# KiCad board panel.opm-inline.kicad_pcb (continued)
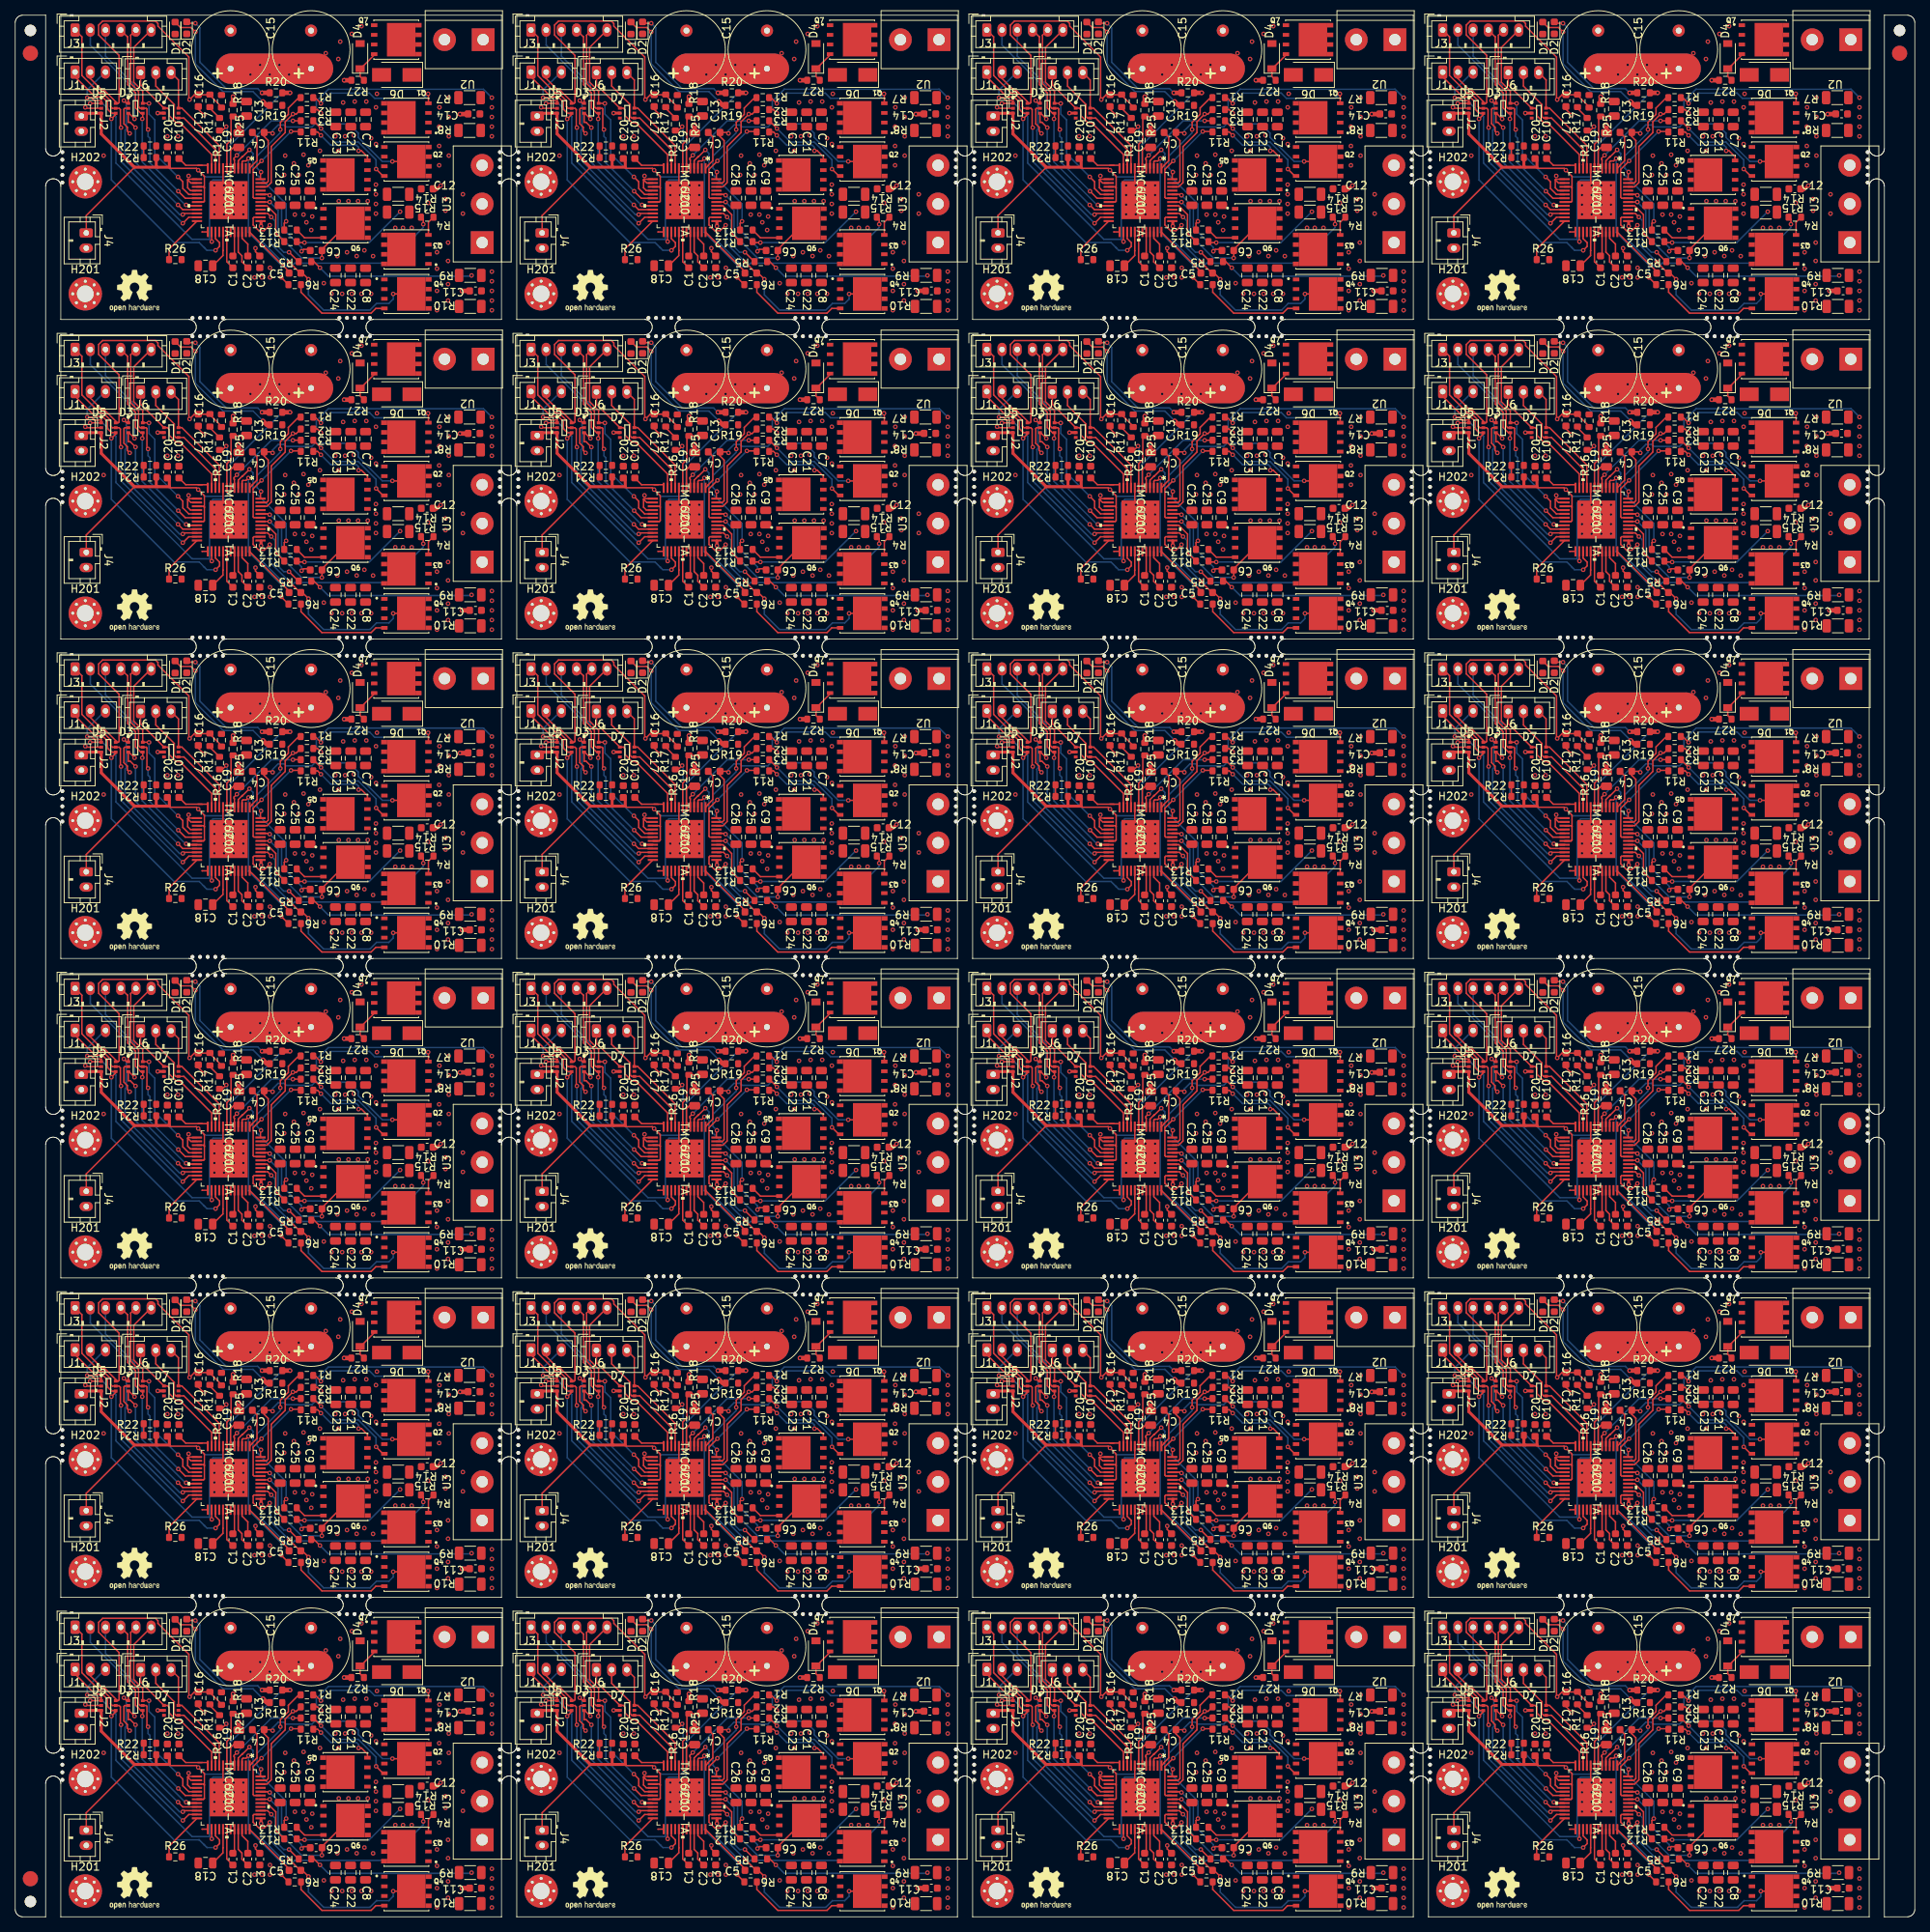
[diagram p0: board, top side]
## Nets (continued)
Board_17-Net-(D1-Pad2): D1#18.2 R19#2.1
Board_17-Net-(D2-Pad2): D2#23.2 R20#18.1
Board_17-Net-(D4-Pad1): D4#19.1 Q7.4 R27.1
Board_17-Net-(D6-Pad2): D6#15.2 Q7.5 Q7.6 Q7.7 Q7.8 U2#17.2
Board_17-Net-(IC1-Pad3): IC1#21.3 R6#3.2
Board_17-Net-(IC1-Pad4): IC1#21.4 R13#22.2
Board_17-Net-(IC1-Pad5): IC1#21.5 R3#10.2
Board_17-Net-(IC1-Pad24): IC1#21.24 R26#24.1
Board_17-Net-(IC1-Pad37): IC1#21.37 R4#6.2
Board_17-Net-(IC1-Pad39): IC1#21.39 R5#19.2
Board_17-Net-(IC1-Pad41): IC1#21.41 R12#4.2
Board_17-Net-(IC1-Pad43): IC1#21.43 R11#15.2
Board_17-Net-(IC1-Pad46): IC1#21.46 R2#18.2
Board_17-Net-(IC1-Pad48): IC1#21.48 R1.2
Board_17-Net-(Q1-Pad4): Q1#21.4 R1.1
Board_17-Net-(Q2-Pad4): Q2#21.4 R3#10.1
Board_17-Net-(Q3-Pad4): Q3#15.4 R4#6.1
Board_17-Net-(Q4-Pad4): Q4#10.4 R6#3.1
Board_17-Net-(Q5-Pad4): Q5.4 R11#15.1
Board_17-Net-(Q6-Pad4): Q6#22.4 R13#22.1
Board_17-Net-(R16-Pad2): R16#2.2 R17#11.1
Board_17-unconnected-(D7-Pad3): D7#24.3
Board_17-unconnected-(D7-Pad5): D7#24.5
Board_18-/+VM: C2#2.1 C3#7.1 C7#18.1 C8#7.1 C9#13.1 C15#11.1 C16#3.1 C21#20.1 C22#20.1 C23#18.1 C24#6.1 C25#15.1 C26#3.1 D4#17.2 IC1#20.33 Q1#4.5 Q1#4.6 Q1#4.7 Q1#4.8 Q3#4.5 Q3#4.6 Q3#4.7 Q3#4.8 Q5#24.5 Q5#24.6 Q5#24.7 Q5#24.8 Q7#22.1 Q7#22.2 Q7#22.3 R25#13.2
Board_18-/ADC_I_u: D7#9.6 IC1#20.9 J6#23.3
Board_18-/ADC_I_v: D7#9.4 IC1#20.10 J6#23.2
Board_18-/ADC_I_w: D7#9.1 IC1#20.11 J6#23.1
Board_18-/Connectors/VOFS: R21#12.2 R22#17.1
Board_18-/DRV_EN: D5#13.4 IC1#20.27 J1#16.1
Board_18-/FAULT: D5#13.1 IC1#20.26 J1#16.3 R20#22.2
Board_18-/Motor Driver/VOFS: C10#18.1 IC1#20.12
Board_18-/TEMP_PCB: C17#8.1 D5#13.6 J1#16.2 R17#3.2 R18#17.1
Board_18-/U: C14#6.1 R2#10.1 R7#17.1 R8#4.1 U3#18.3
Board_18-/UH: D3#24.6 IC1#20.17 J3#6.6
Board_18-/UL: D3#24.5 IC1#20.18 J3#6.5
Board_18-/V: C12#22.1 R12#8.1 R14#11.1 R15#12.1 U3#18.2
Board_18-/VH: D3#24.4 IC1#20.20 J3#6.4
Board_18-/VL: D3#24.3 IC1#20.21 J3#6.3
Board_18-/VSA: C18#24.1 IC1#20.29
Board_18-/W: C11#5.1 R5#4.1 R9#5.1 R10#22.1 U3#18.1
Board_18-/WH: D3#24.1 IC1#20.22 J3#6.2
Board_18-/WL: D5#13.5 IC1#20.23 J3#6.1
Board_18-GND: C3#7.2 C7#18.2 C8#7.2 C9#13.2 C10#18.2 C11#5.2 C12#22.2 C13#20.2 C14#6.2 C15#11.2 C16#3.2 C17#8.2 C18#24.2 C19#15.2 C20#13.2 C21#20.2 C22#20.2 C23#18.2 C24#6.2 C25#15.2 C26#3.2 D1#16.1 D2#24.1 D3#24.2 D5#13.2 D6#11.1 D7#9.2 H201#12.1 H202#4.1 IC1#20.8 IC1#20.13 IC1#20.14 IC1#20.16 IC1#20.25 IC1#20.EPAD J2#9.2 J4#22.2 Q2#3.1 Q2#3.2 Q2#3.3 Q4#3.1 Q4#3.2 Q4#3.3 Q6#19.1 Q6#19.2 Q6#19.3 R18#17.2 R22#17.2 R26#7.2 R27#24.2 U2#20.1
Board_18-Net-(C1-Pad1): C1#3.1 IC1#20.30
Board_18-Net-(C1-Pad2): C1#3.2 IC1#20.32
Board_18-Net-(C2-Pad2): C2#2.2 IC1#20.34
Board_18-Net-(C4-Pad1): C4#12.1 IC1#20.47 Q1#4.1 Q1#4.2 Q1#4.3 Q2#3.5 Q2#3.6 Q2#3.7 Q2#3.8 R7#17.2 R8#4.2
Board_18-Net-(C4-Pad2): C4#12.2 IC1#20.1
Board_18-Net-(C5-Pad1): C5#21.1 IC1#20.36
Board_18-Net-(C5-Pad2): C5#21.2 IC1#20.38 Q3#4.1 Q3#4.2 Q3#4.3 Q4#3.5 Q4#3.6 Q4#3.7 Q4#3.8 R9#5.2 R10#22.2
Board_18-Net-(C6-Pad1): C6#7.1 IC1#20.42 Q5#24.1 Q5#24.2 Q5#24.3 Q6#19.5 Q6#19.6 Q6#19.7 Q6#19.8 R14#11.2 R15#12.2
Board_18-Net-(C6-Pad2): C6#7.2 IC1#20.44
Board_18-Net-(D1-Pad2): D1#16.2 R19#12.1
Board_18-Net-(D2-Pad2): D2#24.2 R20#22.1
Board_18-Net-(D4-Pad1): D4#17.1 Q7#22.4 R27#24.1
Board_18-Net-(D6-Pad2): D6#11.2 Q7#22.5 Q7#22.6 Q7#22.7 Q7#22.8 U2#20.2
Board_18-Net-(IC1-Pad3): IC1#20.3 R6#24.2
Board_18-Net-(IC1-Pad4): IC1#20.4 R13#3.2
Board_18-Net-(IC1-Pad5): IC1#20.5 R3.2
Board_18-Net-(IC1-Pad24): IC1#20.24 R26#7.1
Board_18-Net-(IC1-Pad37): IC1#20.37 R4#2.2
Board_18-Net-(IC1-Pad39): IC1#20.39 R5#4.2
Board_18-Net-(IC1-Pad41): IC1#20.41 R12#8.2
Board_18-Net-(IC1-Pad43): IC1#20.43 R11#20.2
Board_18-Net-(IC1-Pad46): IC1#20.46 R2#10.2
Board_18-Net-(IC1-Pad48): IC1#20.48 R1#19.2
Board_18-Net-(Q1-Pad4): Q1#4.4 R1#19.1
Board_18-Net-(Q2-Pad4): Q2#3.4 R3.1
Board_18-Net-(Q3-Pad4): Q3#4.4 R4#2.1
Board_18-Net-(Q4-Pad4): Q4#3.4 R6#24.1
Board_18-Net-(Q5-Pad4): Q5#24.4 R11#20.1
Board_18-Net-(Q6-Pad4): Q6#19.4 R13#3.1
Board_18-Net-(R16-Pad2): R16#17.2 R17#3.1
Board_18-unconnected-(D7-Pad3): D7#9.3
Board_18-unconnected-(D7-Pad5): D7#9.5
Board_19-/+VM: C2#22.1 C3#2.1 C7#8.1 C8#23.1 C9#20.1 C15#2.1 C16#8.1 C21#6.1 C22#24.1 C23#15.1 C24#9.1 C25#24.1 C26#24.1 D4#13.2 IC1#18.33 Q1#9.5 Q1#9.6 Q1#9.7 Q1#9.8 Q3#11.5 Q3#11.6 Q3#11.7 Q3#11.8 Q5#14.5 Q5#14.6 Q5#14.7 Q5#14.8 Q7#19.1 Q7#19.2 Q7#19.3 R25#20.2
Board_19-/ADC_I_u: D7#19.6 IC1#18.9 J6#17.3
Board_19-/ADC_I_v: D7#19.4 IC1#18.10 J6#17.2
Board_19-/ADC_I_w: D7#19.1 IC1#18.11 J6#17.1
Board_19-/Connectors/VOFS: R21#4.2 R22#8.1
Board_19-/DRV_EN: D5#23.4 IC1#18.27 J1#21.1
Board_19-/FAULT: D5#23.1 IC1#18.26 J1#21.3 R20#17.2
Board_19-/Motor Driver/VOFS: C10#19.1 IC1#18.12
Board_19-/TEMP_PCB: C17#11.1 D5#23.6 J1#21.2 R17#10.2 R18#10.1
Board_19-/U: C14#23.1 R2#6.1 R7.1 R8#6.1 U3#4.3
Board_19-/UH: D3#7.6 IC1#18.17 J3#10.6
Board_19-/UL: D3#7.5 IC1#18.18 J3#10.5
Board_19-/V: C12#5.1 R12#13.1 R14#19.1 R15#16.1 U3#4.2
Board_19-/VH: D3#7.4 IC1#18.20 J3#10.4
Board_19-/VL: D3#7.3 IC1#18.21 J3#10.3
Board_19-/VSA: C18#14.1 IC1#18.29
Board_19-/W: C11#16.1 R5.1 R9#9.1 R10#13.1 U3#4.1
Board_19-/WH: D3#7.1 IC1#18.22 J3#10.2
Board_19-/WL: D5#23.5 IC1#18.23 J3#10.1
Board_19-GND: C3#2.2 C7#8.2 C8#23.2 C9#20.2 C10#19.2 C11#16.2 C12#5.2 C13#15.2 C14#23.2 C15#2.2 C16#8.2 C17#11.2 C18#14.2 C19#24.2 C20#24.2 C21#6.2 C22#24.2 C23#15.2 C24#9.2 C25#24.2 C26#24.2 D1#20.1 D2#2.1 D3#7.2 D5#23.2 D6#16.1 D7#19.2 H201#9.1 H202#15.1 IC1#18.8 IC1#18.13 IC1#18.14 IC1#18.16 IC1#18.25 IC1#18.EPAD J2#8.2 J4#23.2 Q2#15.1 Q2#15.2 Q2#15.3 Q4#6.1 Q4#6.2 Q4#6.3 Q6#18.1 Q6#18.2 Q6#18.3 R18#10.2 R22#8.2 R26#3.2 R27#11.2 U2#5.1
Board_19-Net-(C1-Pad1): C1#19.1 IC1#18.30
Board_19-Net-(C1-Pad2): C1#19.2 IC1#18.32
Board_19-Net-(C2-Pad2): C2#22.2 IC1#18.34
Board_19-Net-(C4-Pad1): C4#18.1 IC1#18.47 Q1#9.1 Q1#9.2 Q1#9.3 Q2#15.5 Q2#15.6 Q2#15.7 Q2#15.8 R7.2 R8#6.2
Board_19-Net-(C4-Pad2): C4#18.2 IC1#18.1
Board_19-Net-(C5-Pad1): C5#15.1 IC1#18.36
Board_19-Net-(C5-Pad2): C5#15.2 IC1#18.38 Q3#11.1 Q3#11.2 Q3#11.3 Q4#6.5 Q4#6.6 Q4#6.7 Q4#6.8 R9#9.2 R10#13.2
Board_19-Net-(C6-Pad1): C6#19.1 IC1#18.42 Q5#14.1 Q5#14.2 Q5#14.3 Q6#18.5 Q6#18.6 Q6#18.7 Q6#18.8 R14#19.2 R15#16.2
Board_19-Net-(C6-Pad2): C6#19.2 IC1#18.44
Board_19-Net-(D1-Pad2): D1#20.2 R19#9.1
Board_19-Net-(D2-Pad2): D2#2.2 R20#17.1
Board_19-Net-(D4-Pad1): D4#13.1 Q7#19.4 R27#11.1
Board_19-Net-(D6-Pad2): D6#16.2 Q7#19.5 Q7#19.6 Q7#19.7 Q7#19.8 U2#5.2
Board_19-Net-(IC1-Pad3): IC1#18.3 R6#12.2
Board_19-Net-(IC1-Pad4): IC1#18.4 R13#13.2
Board_19-Net-(IC1-Pad5): IC1#18.5 R3#24.2
Board_19-Net-(IC1-Pad24): IC1#18.24 R26#3.1
Board_19-Net-(IC1-Pad37): IC1#18.37 R4#5.2
Board_19-Net-(IC1-Pad39): IC1#18.39 R5.2
Board_19-Net-(IC1-Pad41): IC1#18.41 R12#13.2
Board_19-Net-(IC1-Pad43): IC1#18.43 R11#21.2
Board_19-Net-(IC1-Pad46): IC1#18.46 R2#6.2
Board_19-Net-(IC1-Pad48): IC1#18.48 R1#7.2
Board_19-Net-(Q1-Pad4): Q1#9.4 R1#7.1
Board_19-Net-(Q2-Pad4): Q2#15.4 R3#24.1
Board_19-Net-(Q3-Pad4): Q3#11.4 R4#5.1
Board_19-Net-(Q4-Pad4): Q4#6.4 R6#12.1
Board_19-Net-(Q5-Pad4): Q5#14.4 R11#21.1
Board_19-Net-(Q6-Pad4): Q6#18.4 R13#13.1
Board_19-Net-(R16-Pad2): R16#16.2 R17#10.1
Board_19-unconnected-(D7-Pad3): D7#19.3
Board_19-unconnected-(D7-Pad5): D7#19.5
Board_20-/+VM: C2#12.1 C3#15.1 C7.1 C8#8.1 C9#10.1 C15#13.1 C16#24.1 C21#10.1 C22#23.1 C23#11.1 C24#21.1 C25#4.1 C26#14.1 D4#8.2 IC1#14.33 Q1#17.5 Q1#17.6 Q1#17.7 Q1#17.8 Q3#14.5 Q3#14.6 Q3#14.7 Q3#14.8 Q5#19.5 Q5#19.6 Q5#19.7 Q5#19.8 Q7#16.1 Q7#16.2 Q7#16.3 R25#7.2
Board_20-/ADC_I_u: D7#7.6 IC1#14.9 J6#19.3
Board_20-/ADC_I_v: D7#7.4 IC1#14.10 J6#19.2
Board_20-/ADC_I_w: D7#7.1 IC1#14.11 J6#19.1
Board_20-/Connectors/VOFS: R21#20.2 R22#5.1
Board_20-/DRV_EN: D5#11.4 IC1#14.27 J1#12.1
Board_20-/FAULT: D5#11.1 IC1#14.26 J1#12.3 R20#14.2
Board_20-/Motor Driver/VOFS: C10#8.1 IC1#14.12
Board_20-/TEMP_PCB: C17#2.1 D5#11.6 J1#12.2 R17#16.2 R18#16.1
Board_20-/U: C14#18.1 R2#4.1 R7#21.1 R8#12.1 U3#5.3
Board_20-/UH: D3#21.6 IC1#14.17 J3#21.6
Board_20-/UL: D3#21.5 IC1#14.18 J3#21.5
Board_20-/V: C12#20.1 R12#14.1 R14#6.1 R15#3.1 U3#5.2
Board_20-/VH: D3#21.4 IC1#14.20 J3#21.4
Board_20-/VL: D3#21.3 IC1#14.21 J3#21.3
Board_20-/VSA: C18#18.1 IC1#14.29
Board_20-/W: C11#17.1 R5#6.1 R9#6.1 R10#4.1 U3#5.1
Board_20-/WH: D3#21.1 IC1#14.22 J3#21.2
Board_20-/WL: D5#11.5 IC1#14.23 J3#21.1
Board_20-GND: C3#15.2 C7.2 C8#8.2 C9#10.2 C10#8.2 C11#17.2 C12#20.2 C13#19.2 C14#18.2 C15#13.2 C16#24.2 C17#2.2 C18#18.2 C19#16.2 C20#4.2 C21#10.2 C22#23.2 C23#11.2 C24#21.2 C25#4.2 C26#14.2 D1#19.1 D2#7.1 D3#21.2 D5#11.2 D6#9.1 D7#7.2 H201#6.1 H202#9.1 IC1#14.8 IC1#14.13 IC1#14.14 IC1#14.16 IC1#14.25 IC1#14.EPAD J2#21.2 J4#9.2 Q2#9.1 Q2#9.2 Q2#9.3 Q4#7.1 Q4#7.2 Q4#7.3 Q6#16.1 Q6#16.2 Q6#16.3 R18#16.2 R22#5.2 R26#22.2 R27#14.2 U2#4.1
Board_20-Net-(C1-Pad1): C1#24.1 IC1#14.30
Board_20-Net-(C1-Pad2): C1#24.2 IC1#14.32
Board_20-Net-(C2-Pad2): C2#12.2 IC1#14.34
Board_20-Net-(C4-Pad1): C4#3.1 IC1#14.47 Q1#17.1 Q1#17.2 Q1#17.3 Q2#9.5 Q2#9.6 Q2#9.7 Q2#9.8 R7#21.2 R8#12.2
Board_20-Net-(C4-Pad2): C4#3.2 IC1#14.1
Board_20-Net-(C5-Pad1): C5#12.1 IC1#14.36
Board_20-Net-(C5-Pad2): C5#12.2 IC1#14.38 Q3#14.1 Q3#14.2 Q3#14.3 Q4#7.5 Q4#7.6 Q4#7.7 Q4#7.8 R9#6.2 R10#4.2
Board_20-Net-(C6-Pad1): C6#18.1 IC1#14.42 Q5#19.1 Q5#19.2 Q5#19.3 Q6#16.5 Q6#16.6 Q6#16.7 Q6#16.8 R14#6.2 R15#3.2
Board_20-Net-(C6-Pad2): C6#18.2 IC1#14.44
Board_20-Net-(D1-Pad2): D1#19.2 R19#20.1
Board_20-Net-(D2-Pad2): D2#7.2 R20#14.1
Board_20-Net-(D4-Pad1): D4#8.1 Q7#16.4 R27#14.1
Board_20-Net-(D6-Pad2): D6#9.2 Q7#16.5 Q7#16.6 Q7#16.7 Q7#16.8 U2#4.2
Board_20-Net-(IC1-Pad3): IC1#14.3 R6#20.2
Board_20-Net-(IC1-Pad4): IC1#14.4 R13#20.2
Board_20-Net-(IC1-Pad5): IC1#14.5 R3#12.2
Board_20-Net-(IC1-Pad24): IC1#14.24 R26#22.1
Board_20-Net-(IC1-Pad37): IC1#14.37 R4#22.2
Board_20-Net-(IC1-Pad39): IC1#14.39 R5#6.2
Board_20-Net-(IC1-Pad41): IC1#14.41 R12#14.2
Board_20-Net-(IC1-Pad43): IC1#14.43 R11#19.2
Board_20-Net-(IC1-Pad46): IC1#14.46 R2#4.2
Board_20-Net-(IC1-Pad48): IC1#14.48 R1#3.2
Board_20-Net-(Q1-Pad4): Q1#17.4 R1#3.1
Board_20-Net-(Q2-Pad4): Q2#9.4 R3#12.1
Board_20-Net-(Q3-Pad4): Q3#14.4 R4#22.1
Board_20-Net-(Q4-Pad4): Q4#7.4 R6#20.1
Board_20-Net-(Q5-Pad4): Q5#19.4 R11#19.1
Board_20-Net-(Q6-Pad4): Q6#16.4 R13#20.1
Board_20-Net-(R16-Pad2): R16#18.2 R17#16.1
Board_20-unconnected-(D7-Pad3): D7#7.3
Board_20-unconnected-(D7-Pad5): D7#7.5
Board_21-/+VM: C2#16.1 C3#23.1 C7#9.1 C8#13.1 C9#22.1 C15#18.1 C16#10.1 C21#12.1 C22#7.1 C23#12.1 C24#19.1 C25#5.1 C26#22.1 D4#14.2 IC1#24.33 Q1#18.5 Q1#18.6 Q1#18.7 Q1#18.8 Q3#7.5 Q3#7.6 Q3#7.7 Q3#7.8 Q5#16.5 Q5#16.6 Q5#16.7 Q5#16.8 Q7#9.1 Q7#9.2 Q7#9.3 R25#16.2
Board_21-/ADC_I_u: D7.6 IC1#24.9 J6#6.3
Board_21-/ADC_I_v: D7.4 IC1#24.10 J6#6.2
Board_21-/ADC_I_w: D7.1 IC1#24.11 J6#6.1
Board_21-/Connectors/VOFS: R21#19.2 R22#15.1
Board_21-/DRV_EN: D5#17.4 IC1#24.27 J1#3.1
Board_21-/FAULT: D5#17.1 IC1#24.26 J1#3.3 R20.2
Board_21-/Motor Driver/VOFS: C10#6.1 IC1#24.12
Board_21-/TEMP_PCB: C17#17.1 D5#17.6 J1#3.2 R17#23.2 R18#2.1
Board_21-/U: C14#16.1 R2#5.1 R7#20.1 R8#9.1 U3#17.3
Board_21-/UH: D3#15.6 IC1#24.17 J3#7.6
Board_21-/UL: D3#15.5 IC1#24.18 J3#7.5
Board_21-/V: C12#19.1 R12#2.1 R14#9.1 R15#15.1 U3#17.2
Board_21-/VH: D3#15.4 IC1#24.20 J3#7.4
Board_21-/VL: D3#15.3 IC1#24.21 J3#7.3
Board_21-/VSA: C18#13.1 IC1#24.29
Board_21-/W: C11#18.1 R5#18.1 R9#20.1 R10#10.1 U3#17.1
Board_21-/WH: D3#15.1 IC1#24.22 J3#7.2
Board_21-/WL: D5#17.5 IC1#24.23 J3#7.1
Board_21-GND: C3#23.2 C7#9.2 C8#13.2 C9#22.2 C10#6.2 C11#18.2 C12#19.2 C13#5.2 C14#16.2 C15#18.2 C16#10.2 C17#17.2 C18#13.2 C19#4.2 C20#5.2 C21#12.2 C22#7.2 C23#12.2 C24#19.2 C25#5.2 C26#22.2 D1#24.1 D2#21.1 D3#15.2 D5#17.2 D6#12.1 D7.2 H201#21.1 H202#23.1 IC1#24.8 IC1#24.13 IC1#24.14 IC1#24.16 IC1#24.25 IC1#24.EPAD J2#12.2 J4#8.2 Q2#18.1 Q2#18.2 Q2#18.3 Q4#19.1 Q4#19.2 Q4#19.3 Q6.1 Q6.2 Q6.3 R18#2.2 R22#15.2 R26#9.2 R27#23.2 U2#7.1
Board_21-Net-(C1-Pad1): C1#21.1 IC1#24.30
Board_21-Net-(C1-Pad2): C1#21.2 IC1#24.32
Board_21-Net-(C2-Pad2): C2#16.2 IC1#24.34
Board_21-Net-(C4-Pad1): C4#10.1 IC1#24.47 Q1#18.1 Q1#18.2 Q1#18.3 Q2#18.5 Q2#18.6 Q2#18.7 Q2#18.8 R7#20.2 R8#9.2
Board_21-Net-(C4-Pad2): C4#10.2 IC1#24.1
Board_21-Net-(C5-Pad1): C5#4.1 IC1#24.36
Board_21-Net-(C5-Pad2): C5#4.2 IC1#24.38 Q3#7.1 Q3#7.2 Q3#7.3 Q4#19.5 Q4#19.6 Q4#19.7 Q4#19.8 R9#20.2 R10#10.2
Board_21-Net-(C6-Pad1): C6#6.1 IC1#24.42 Q5#16.1 Q5#16.2 Q5#16.3 Q6.5 Q6.6 Q6.7 Q6.8 R14#9.2 R15#15.2
Board_21-Net-(C6-Pad2): C6#6.2 IC1#24.44
Board_21-Net-(D1-Pad2): D1#24.2 R19#5.1
Board_21-Net-(D2-Pad2): D2#21.2 R20.1
Board_21-Net-(D4-Pad1): D4#14.1 Q7#9.4 R27#23.1
Board_21-Net-(D6-Pad2): D6#12.2 Q7#9.5 Q7#9.6 Q7#9.7 Q7#9.8 U2#7.2
Board_21-Net-(IC1-Pad3): IC1#24.3 R6#13.2
Board_21-Net-(IC1-Pad4): IC1#24.4 R13#21.2
Board_21-Net-(IC1-Pad5): IC1#24.5 R3#17.2
Board_21-Net-(IC1-Pad24): IC1#24.24 R26#9.1
Board_21-Net-(IC1-Pad37): IC1#24.37 R4#15.2
Board_21-Net-(IC1-Pad39): IC1#24.39 R5#18.2
Board_21-Net-(IC1-Pad41): IC1#24.41 R12#2.2
Board_21-Net-(IC1-Pad43): IC1#24.43 R11#23.2
Board_21-Net-(IC1-Pad46): IC1#24.46 R2#5.2
Board_21-Net-(IC1-Pad48): IC1#24.48 R1#5.2
Board_21-Net-(Q1-Pad4): Q1#18.4 R1#5.1
Board_21-Net-(Q2-Pad4): Q2#18.4 R3#17.1
Board_21-Net-(Q3-Pad4): Q3#7.4 R4#15.1
Board_21-Net-(Q4-Pad4): Q4#19.4 R6#13.1
Board_21-Net-(Q5-Pad4): Q5#16.4 R11#23.1
Board_21-Net-(Q6-Pad4): Q6.4 R13#21.1
Board_21-Net-(R16-Pad2): R16#14.2 R17#23.1
Board_21-unconnected-(D7-Pad3): D7.3
Board_21-unconnected-(D7-Pad5): D7.5
Board_22-/+VM: C2.1 C3#17.1 C7#2.1 C8#2.1 C9#21.1 C15#22.1 C16#2.1 C21#24.1 C22#3.1 C23#17.1 C24#23.1 C25#16.1 C26#15.1 D4#21.2 IC1#17.33 Q1#23.5 Q1#23.6 Q1#23.7 Q1#23.8 Q3#10.5 Q3#10.6 Q3#10.7 Q3#10.8 Q5#22.5 Q5#22.6 Q5#22.7 Q5#22.8 Q7#8.1 Q7#8.2 Q7#8.3 R25#2.2
Board_22-/ADC_I_u: D7#15.6 IC1#17.9 J6#9.3
Board_22-/ADC_I_v: D7#15.4 IC1#17.10 J6#9.2
Board_22-/ADC_I_w: D7#15.1 IC1#17.11 J6#9.1
Board_22-/Connectors/VOFS: R21#22.2 R22#10.1
Board_22-/DRV_EN: D5#12.4 IC1#17.27 J1#24.1
Board_22-/FAULT: D5#12.1 IC1#17.26 J1#24.3 R20#16.2
Board_22-/Motor Driver/VOFS: C10#4.1 IC1#17.12
Board_22-/TEMP_PCB: C17#6.1 D5#12.6 J1#24.2 R17#4.2 R18#21.1
Board_22-/U: C14#10.1 R2#9.1 R7#14.1 R8#3.1 U3#19.3
Board_22-/UH: D3#19.6 IC1#17.17 J3#12.6
Board_22-/UL: D3#19.5 IC1#17.18 J3#12.5
Board_22-/V: C12#3.1 R12#11.1 R14#22.1 R15#11.1 U3#19.2
Board_22-/VH: D3#19.4 IC1#17.20 J3#12.4
Board_22-/VL: D3#19.3 IC1#17.21 J3#12.3
Board_22-/VSA: C18#16.1 IC1#17.29
Board_22-/W: C11#9.1 R5#13.1 R9#19.1 R10#15.1 U3#19.1
Board_22-/WH: D3#19.1 IC1#17.22 J3#12.2
Board_22-/WL: D5#12.5 IC1#17.23 J3#12.1
Board_22-GND: C3#17.2 C7#2.2 C8#2.2 C9#21.2 C10#4.2 C11#9.2 C12#3.2 C13#23.2 C14#10.2 C15#22.2 C16#2.2 C17#6.2 C18#16.2 C19#18.2 C20#19.2 C21#24.2 C22#3.2 C23#17.2 C24#23.2 C25#16.2 C26#15.2 D1#11.1 D2#4.1 D3#19.2 D5#12.2 D6#23.1 D7#15.2 H201#22.1 H202#6.1 IC1#17.8 IC1#17.13 IC1#17.14 IC1#17.16 IC1#17.25 IC1#17.EPAD J2#16.2 J4#2.2 Q2#17.1 Q2#17.2 Q2#17.3 Q4#20.1 Q4#20.2 Q4#20.3 Q6#24.1 Q6#24.2 Q6#24.3 R18#21.2 R22#10.2 R26#11.2 R27#18.2 U2#9.1
Board_22-Net-(C1-Pad1): C1#13.1 IC1#17.30
Board_22-Net-(C1-Pad2): C1#13.2 IC1#17.32
Board_22-Net-(C2-Pad2): C2.2 IC1#17.34
Board_22-Net-(C4-Pad1): C4#21.1 IC1#17.47 Q1#23.1 Q1#23.2 Q1#23.3 Q2#17.5 Q2#17.6 Q2#17.7 Q2#17.8 R7#14.2 R8#3.2
Board_22-Net-(C4-Pad2): C4#21.2 IC1#17.1
Board_22-Net-(C5-Pad1): C5#14.1 IC1#17.36
Board_22-Net-(C5-Pad2): C5#14.2 IC1#17.38 Q3#10.1 Q3#10.2 Q3#10.3 Q4#20.5 Q4#20.6 Q4#20.7 Q4#20.8 R9#19.2 R10#15.2
Board_22-Net-(C6-Pad1): C6#22.1 IC1#17.42 Q5#22.1 Q5#22.2 Q5#22.3 Q6#24.5 Q6#24.6 Q6#24.7 Q6#24.8 R14#22.2 R15#11.2
Board_22-Net-(C6-Pad2): C6#22.2 IC1#17.44
Board_22-Net-(D1-Pad2): D1#11.2 R19#7.1
Board_22-Net-(D2-Pad2): D2#4.2 R20#16.1
Board_22-Net-(D4-Pad1): D4#21.1 Q7#8.4 R27#18.1
Board_22-Net-(D6-Pad2): D6#23.2 Q7#8.5 Q7#8.6 Q7#8.7 Q7#8.8 U2#9.2
Board_22-Net-(IC1-Pad3): IC1#17.3 R6#6.2
Board_22-Net-(IC1-Pad4): IC1#17.4 R13#24.2
Board_22-Net-(IC1-Pad5): IC1#17.5 R3#9.2
Board_22-Net-(IC1-Pad24): IC1#17.24 R26#11.1
Board_22-Net-(IC1-Pad37): IC1#17.37 R4#4.2
Board_22-Net-(IC1-Pad39): IC1#17.39 R5#13.2
Board_22-Net-(IC1-Pad41): IC1#17.41 R12#11.2
Board_22-Net-(IC1-Pad43): IC1#17.43 R11#2.2
Board_22-Net-(IC1-Pad46): IC1#17.46 R2#9.2
Board_22-Net-(IC1-Pad48): IC1#17.48 R1#2.2
Board_22-Net-(Q1-Pad4): Q1#23.4 R1#2.1
Board_22-Net-(Q2-Pad4): Q2#17.4 R3#9.1
Board_22-Net-(Q3-Pad4): Q3#10.4 R4#4.1
Board_22-Net-(Q4-Pad4): Q4#20.4 R6#6.1
Board_22-Net-(Q5-Pad4): Q5#22.4 R11#2.1
Board_22-Net-(Q6-Pad4): Q6#24.4 R13#24.1
Board_22-Net-(R16-Pad2): R16#5.2 R17#4.1
Board_22-unconnected-(D7-Pad3): D7#15.3
Board_22-unconnected-(D7-Pad5): D7#15.5
Board_23-/+VM: C2#19.1 C3#11.1 C7#21.1 C8#5.1 C9.1 C15#8.1 C16#21.1 C21#18.1 C22#22.1 C23#19.1 C24#10.1 C25#9.1 C26.1 D4#12.2 IC1#15.33 Q1#7.5 Q1#7.6 Q1#7.7 Q1#7.8 Q3#3.5 Q3#3.6 Q3#3.7 Q3#3.8 Q5#6.5 Q5#6.6 Q5#6.7 Q5#6.8 Q7#6.1 Q7#6.2 Q7#6.3 R25#23.2
Board_23-/ADC_I_u: D7#11.6 IC1#15.9 J6#10.3
Board_23-/ADC_I_v: D7#11.4 IC1#15.10 J6#10.2
Board_23-/ADC_I_w: D7#11.1 IC1#15.11 J6#10.1
Board_23-/Connectors/VOFS: R21#15.2 R22#11.1
Board_23-/DRV_EN: D5#8.4 IC1#15.27 J1#17.1
Board_23-/FAULT: D5#8.1 IC1#15.26 J1#17.3 R20#4.2
Board_23-/Motor Driver/VOFS: C10#11.1 IC1#15.12
Board_23-/TEMP_PCB: C17#5.1 D5#8.6 J1#17.2 R17#17.2 R18.1
Board_23-/U: C14#12.1 R2#13.1 R7#16.1 R8#5.1 U3#21.3
Board_23-/UH: D3#14.6 IC1#15.17 J3#14.6
Board_23-/UL: D3#14.5 IC1#15.18 J3#14.5
Board_23-/V: C12#11.1 R12#3.1 R14#24.1 R15#19.1 U3#21.2
Board_23-/VH: D3#14.4 IC1#15.20 J3#14.4
Board_23-/VL: D3#14.3 IC1#15.21 J3#14.3
Board_23-/VSA: C18#22.1 IC1#15.29
Board_23-/W: C11#13.1 R5#23.1 R9#14.1 R10#2.1 U3#21.1
Board_23-/WH: D3#14.1 IC1#15.22 J3#14.2
Board_23-/WL: D5#8.5 IC1#15.23 J3#14.1
Board_23-GND: C3#11.2 C7#21.2 C8#5.2 C9.2 C10#11.2 C11#13.2 C12#11.2 C13#12.2 C14#12.2 C15#8.2 C16#21.2 C17#5.2 C18#22.2 C19#19.2 C20#17.2 C21#18.2 C22#22.2 C23#19.2 C24#10.2 C25#9.2 C26.2 D1#4.1 D2#18.1 D3#14.2 D5#8.2 D6#8.1 D7#11.2 H201#13.1 H202#10.1 IC1#15.8 IC1#15.13 IC1#15.14 IC1#15.16 IC1#15.25 IC1#15.EPAD J2#10.2 J4#19.2 Q2#2.1 Q2#2.2 Q2#2.3 Q4#13.1 Q4#13.2 Q4#13.3 Q6#21.1 Q6#21.2 Q6#21.3 R18.2 R22#11.2 R26#4.2 R27#2.2 U2#23.1
Board_23-Net-(C1-Pad1): C1#11.1 IC1#15.30
Board_23-Net-(C1-Pad2): C1#11.2 IC1#15.32
Board_23-Net-(C2-Pad2): C2#19.2 IC1#15.34
Board_23-Net-(C4-Pad1): C4#20.1 IC1#15.47 Q1#7.1 Q1#7.2 Q1#7.3 Q2#2.5 Q2#2.6 Q2#2.7 Q2#2.8 R7#16.2 R8#5.2
Board_23-Net-(C4-Pad2): C4#20.2 IC1#15.1
Board_23-Net-(C5-Pad1): C5#10.1 IC1#15.36
Board_23-Net-(C5-Pad2): C5#10.2 IC1#15.38 Q3#3.1 Q3#3.2 Q3#3.3 Q4#13.5 Q4#13.6 Q4#13.7 Q4#13.8 R9#14.2 R10#2.2
Board_23-Net-(C6-Pad1): C6#21.1 IC1#15.42 Q5#6.1 Q5#6.2 Q5#6.3 Q6#21.5 Q6#21.6 Q6#21.7 Q6#21.8 R14#24.2 R15#19.2
Board_23-Net-(C6-Pad2): C6#21.2 IC1#15.44
Board_23-Net-(D1-Pad2): D1#4.2 R19#13.1
Board_23-Net-(D2-Pad2): D2#18.2 R20#4.1
Board_23-Net-(D4-Pad1): D4#12.1 Q7#6.4 R27#2.1
Board_23-Net-(D6-Pad2): D6#8.2 Q7#6.5 Q7#6.6 Q7#6.7 Q7#6.8 U2#23.2
Board_23-Net-(IC1-Pad3): IC1#15.3 R6#15.2
Board_23-Net-(IC1-Pad4): IC1#15.4 R13#15.2
Board_23-Net-(IC1-Pad5): IC1#15.5 R3#23.2
Board_23-Net-(IC1-Pad24): IC1#15.24 R26#4.1
Board_23-Net-(IC1-Pad37): IC1#15.37 R4#24.2
Board_23-Net-(IC1-Pad39): IC1#15.39 R5#23.2
Board_23-Net-(IC1-Pad41): IC1#15.41 R12#3.2
Board_23-Net-(IC1-Pad43): IC1#15.43 R11#12.2
Board_23-Net-(IC1-Pad46): IC1#15.46 R2#13.2
Board_23-Net-(IC1-Pad48): IC1#15.48 R1#17.2
Board_23-Net-(Q1-Pad4): Q1#7.4 R1#17.1
Board_23-Net-(Q2-Pad4): Q2#2.4 R3#23.1
Board_23-Net-(Q3-Pad4): Q3#3.4 R4#24.1
Board_23-Net-(Q4-Pad4): Q4#13.4 R6#15.1
Board_23-Net-(Q5-Pad4): Q5#6.4 R11#12.1
Board_23-Net-(Q6-Pad4): Q6#21.4 R13#15.1
Board_23-Net-(R16-Pad2): R16#4.2 R17#17.1
Board_23-unconnected-(D7-Pad3): D7#11.3
Board_23-unconnected-(D7-Pad5): D7#11.5

Pads without a net: IC1 2 28 31 35 40 45; IC1#2 2 28 31 35 40 45; IC1#3 2 28 31 35 40 45; IC1#4 2 28 31 35 40 45; IC1#5 2 28 31 35 40 45; IC1#6 2 28 31 35 40 45; IC1#7 2 28 31 35 40 45; IC1#8 2 28 31 35 40 45; IC1#9 2 28 31 35 40 45; IC1#10 2 28 31 35 40 45; IC1#11 2 28 31 35 40 45; IC1#12 2 28 31 35 40 45; IC1#13 2 28 31 35 40 45; IC1#14 2 28 31 35 40 45; IC1#15 2 28 31 35 40 45; IC1#16 2 28 31 35 40 45; IC1#17 2 28 31 35 40 45; IC1#18 2 28 31 35 40 45; IC1#19 2 28 31 35 40 45; IC1#20 2 28 31 35 40 45; IC1#21 2 28 31 35 40 45; IC1#22 2 28 31 35 40 45; IC1#23 2 28 31 35 40 45; IC1#24 2 28 31 35 40 45

## Via types
v1: diameter 0.6, hole 0.3, Top to Bottom, 4440 vias

## Routing (per net, layer and track width the routed paths; a pad name or vN(x,y) marks a point on that pad's centre or on a via; arc(x,y) is an arc through that point)
Board_0-/5Vout: length 9
  Top w0.2: IC1#3.7 27.83,232.99 28.38,233.54 28.38,236.38 R25#18.1 30.36,236.64 C13#16.1
Board_0-/12Vout: length 3.6
  Top w0.2: C19#8.1 28.71,232.58 28.33,232.2 IC1#3.6
Board_0-/+VCC_IO: length 53.8
  Top w0.2: J4#11.1 9.34,223.62 15.69,229.97 ; 8.96,236.7 J2#14.1 9.07,237.07 ; R16#23.1 27.25,234.8 v1(27.76,235.31) ; 24.76,225.4 24.88,225.52 24.88,227.28 ; 24.76,225.4 IC1#3.19 24.76,225.4 ; 20.27,229.97 20.42,229.83 23.83,229.83 v1(24.07,229.58) 24.88,228.78 24.88,227.28 ; 24.88,227.28 24.76,227.4 IC1#3.15 ; 20.27,230.85 C20#12.1 ; 18.55,230.16 18.74,229.97
  Top w0.4: 20.27,230.85 20.27,229.97 15.69,229.97 11.31,234.35 D5#18.3 9.07,237.07 ; R21#9.1 18.55,230.16
  Bottom w0.2: 27.88,234.54 27.88,228.7 24.95,228.7 v1(24.07,229.58) ; 27.88,234.54 27.88,234.8 ; 27.88,234.54 27.88,235.18 v1(27.76,235.31)
Board_1-/5Vout: length 9
  Top w0.2: IC1#16.7 87.78,232.99 88.33,233.54 88.33,236.38 R25.1 90.31,236.64 C13.1
Board_1-/12Vout: length 3.6
  Top w0.2: C19#14.1 88.66,232.58 88.28,232.2 IC1#16.6
Board_1-/+VCC_IO: length 53.8
  Top w0.2: J4#18.1 69.29,223.62 75.64,229.97 ; 68.91,236.7 J2#23.1 69.02,237.07 ; R16#11.1 87.2,234.8 v1(87.71,235.31) ; 84.71,225.4 84.83,225.52 84.83,227.28 ; 84.71,225.4 IC1#16.19 84.71,225.4 ; 80.22,229.97 80.37,229.83 83.78,229.83 v1(84.02,229.58) 84.83,228.78 84.83,227.28 ; 84.83,227.28 84.71,227.4 IC1#16.15 ; 80.22,230.85 C20#7.1 ; 78.5,230.16 78.69,229.97
  Top w0.4: 80.22,230.85 80.22,229.97 75.64,229.97 71.26,234.35 D5#2.3 69.02,237.07 ; R21#23.1 78.5,230.16
  Bottom w0.2: 87.83,234.54 87.83,228.7 84.9,228.7 v1(84.02,229.58) ; 87.83,234.54 87.83,234.8 ; 87.83,234.54 87.83,235.18 v1(87.71,235.31)
Board_2-/5Vout: length 9
  Top w0.2: IC1#11.7 147.73,232.99 148.28,233.54 148.28,236.38 R25#6.1 150.26,236.64 C13#3.1
Board_2-/12Vout: length 3.6
  Top w0.2: C19#20.1 148.61,232.58 148.23,232.2 IC1#11.6
Board_2-/+VCC_IO: length 53.8
  Top w0.2: J4#7.1 129.24,223.62 135.59,229.97 ; 128.86,236.7 J2#18.1 128.97,237.07 ; R16#12.1 147.15,234.8 v1(147.66,235.31) ; 144.66,225.4 144.78,225.52 144.78,227.28 ; 144.66,225.4 IC1#11.19 144.66,225.4 ; 140.17,229.97 140.32,229.83 143.73,229.83 v1(143.97,229.58) 144.78,228.78 144.78,227.28 ; 144.78,227.28 144.66,227.4 IC1#11.15 ; 140.17,230.85 C20#16.1 ; 138.45,230.16 138.64,229.97
  Top w0.4: 140.17,230.85 140.17,229.97 135.59,229.97 131.21,234.35 D5#19.3 128.97,237.07 ; R21#7.1 138.45,230.16
  Bottom w0.2: 147.78,234.54 147.78,228.7 144.85,228.7 v1(143.97,229.58) ; 147.78,234.54 147.78,234.8 ; 147.78,234.54 147.78,235.18 v1(147.66,235.31)
Board_3-/5Vout: length 9
  Top w0.2: IC1#10.7 207.68,232.99 208.23,233.54 208.23,236.38 R25#4.1 210.21,236.64 C13#11.1
Board_3-/12Vout: length 3.6
  Top w0.2: C19#22.1 208.56,232.58 208.18,232.2 IC1#10.6
Board_3-/+VCC_IO: length 53.8
  Top w0.2: J4#16.1 189.19,223.62 195.54,229.97 ; 188.81,236.7 J2#7.1 188.92,237.07 ; R16#3.1 207.1,234.8 v1(207.61,235.31) ; 204.61,225.4 204.73,225.52 204.73,227.28 ; 204.61,225.4 IC1#10.19 204.61,225.4 ; 200.12,229.97 200.27,229.83 203.68,229.83 v1(203.92,229.58) 204.73,228.78 204.73,227.28 ; 204.73,227.28 204.61,227.4 IC1#10.15 ; 200.12,230.85 C20#8.1 ; 198.4,230.16 198.59,229.97
  Top w0.4: 200.12,230.85 200.12,229.97 195.54,229.97 191.16,234.35 D5#3.3 188.92,237.07 ; R21#18.1 198.4,230.16
  Bottom w0.2: 207.73,234.54 207.73,228.7 204.8,228.7 v1(203.92,229.58) ; 207.73,234.54 207.73,234.8 ; 207.73,234.54 207.73,235.18 v1(207.61,235.31)
Board_4-/5Vout: length 9
  Top w0.2: IC1#12.7 27.83,191 28.38,191.55 28.38,194.39 R25#10.1 30.36,194.65 C13#18.1
Board_4-/12Vout: length 3.6
  Top w0.2: C19#6.1 28.71,190.59 28.33,190.21 IC1#12.6
Board_4-/+VCC_IO: length 53.8
  Top w0.2: J4#17.1 9.34,181.63 15.69,187.98 ; 8.96,194.71 J2#3.1 9.07,195.08 ; R16.1 27.25,192.81 v1(27.76,193.32) ; 24.76,183.41 24.88,183.53 24.88,185.29 ; 24.76,183.41 IC1#12.19 24.76,183.41 ; 20.27,187.98 20.42,187.84 23.83,187.84 v1(24.07,187.59) 24.88,186.79 24.88,185.29 ; 24.88,185.29 24.76,185.41 IC1#12.15 ; 20.27,188.86 C20#15.1 ; 18.55,188.17 18.74,187.98
  Top w0.4: 20.27,188.86 20.27,187.98 15.69,187.98 11.31,192.36 D5#22.3 9.07,195.08 ; R21#17.1 18.55,188.17
  Bottom w0.2: 27.88,192.55 27.88,186.71 24.95,186.71 v1(24.07,187.59) ; 27.88,192.55 27.88,192.81 ; 27.88,192.55 27.88,193.19 v1(27.76,193.32)
Board_5-/5Vout: length 9
  Top w0.2: IC1#7.7 87.78,191 88.33,191.55 88.33,194.39 R25#5.1 90.31,194.65 C13#14.1
Board_5-/12Vout: length 3.6
  Top w0.2: C19#21.1 88.66,190.59 88.28,190.21 IC1#7.6
Board_5-/+VCC_IO: length 53.8
  Top w0.2: J4#15.1 69.29,181.63 75.64,187.98 ; 68.91,194.71 J2#17.1 69.02,195.08 ; R16#7.1 87.2,192.81 v1(87.71,193.32) ; 84.71,183.41 84.83,183.53 84.83,185.29 ; 84.71,183.41 IC1#7.19 84.71,183.41 ; 80.22,187.98 80.37,187.84 83.78,187.84 v1(84.02,187.59) 84.83,186.79 84.83,185.29 ; 84.83,185.29 84.71,185.41 IC1#7.15 ; 80.22,188.86 C20#22.1 ; 78.5,188.17 78.69,187.98